# Altium PCB IPG.PcbDoc (part 8 of 10)
Units mm, origin at the board's own origin, x right, y up, seen from the top; angles counter-clockwise.
Board outline 69.6 x 90.73 mm, 10 copper layers (TOP, DHOR, DVERT, GND 1, POWER, GND 2, GND 3, AVERT, AHOR, BOT), stack 1.062 mm thick; 727 components, 391 nets, 2009 pads, 3077 vias.
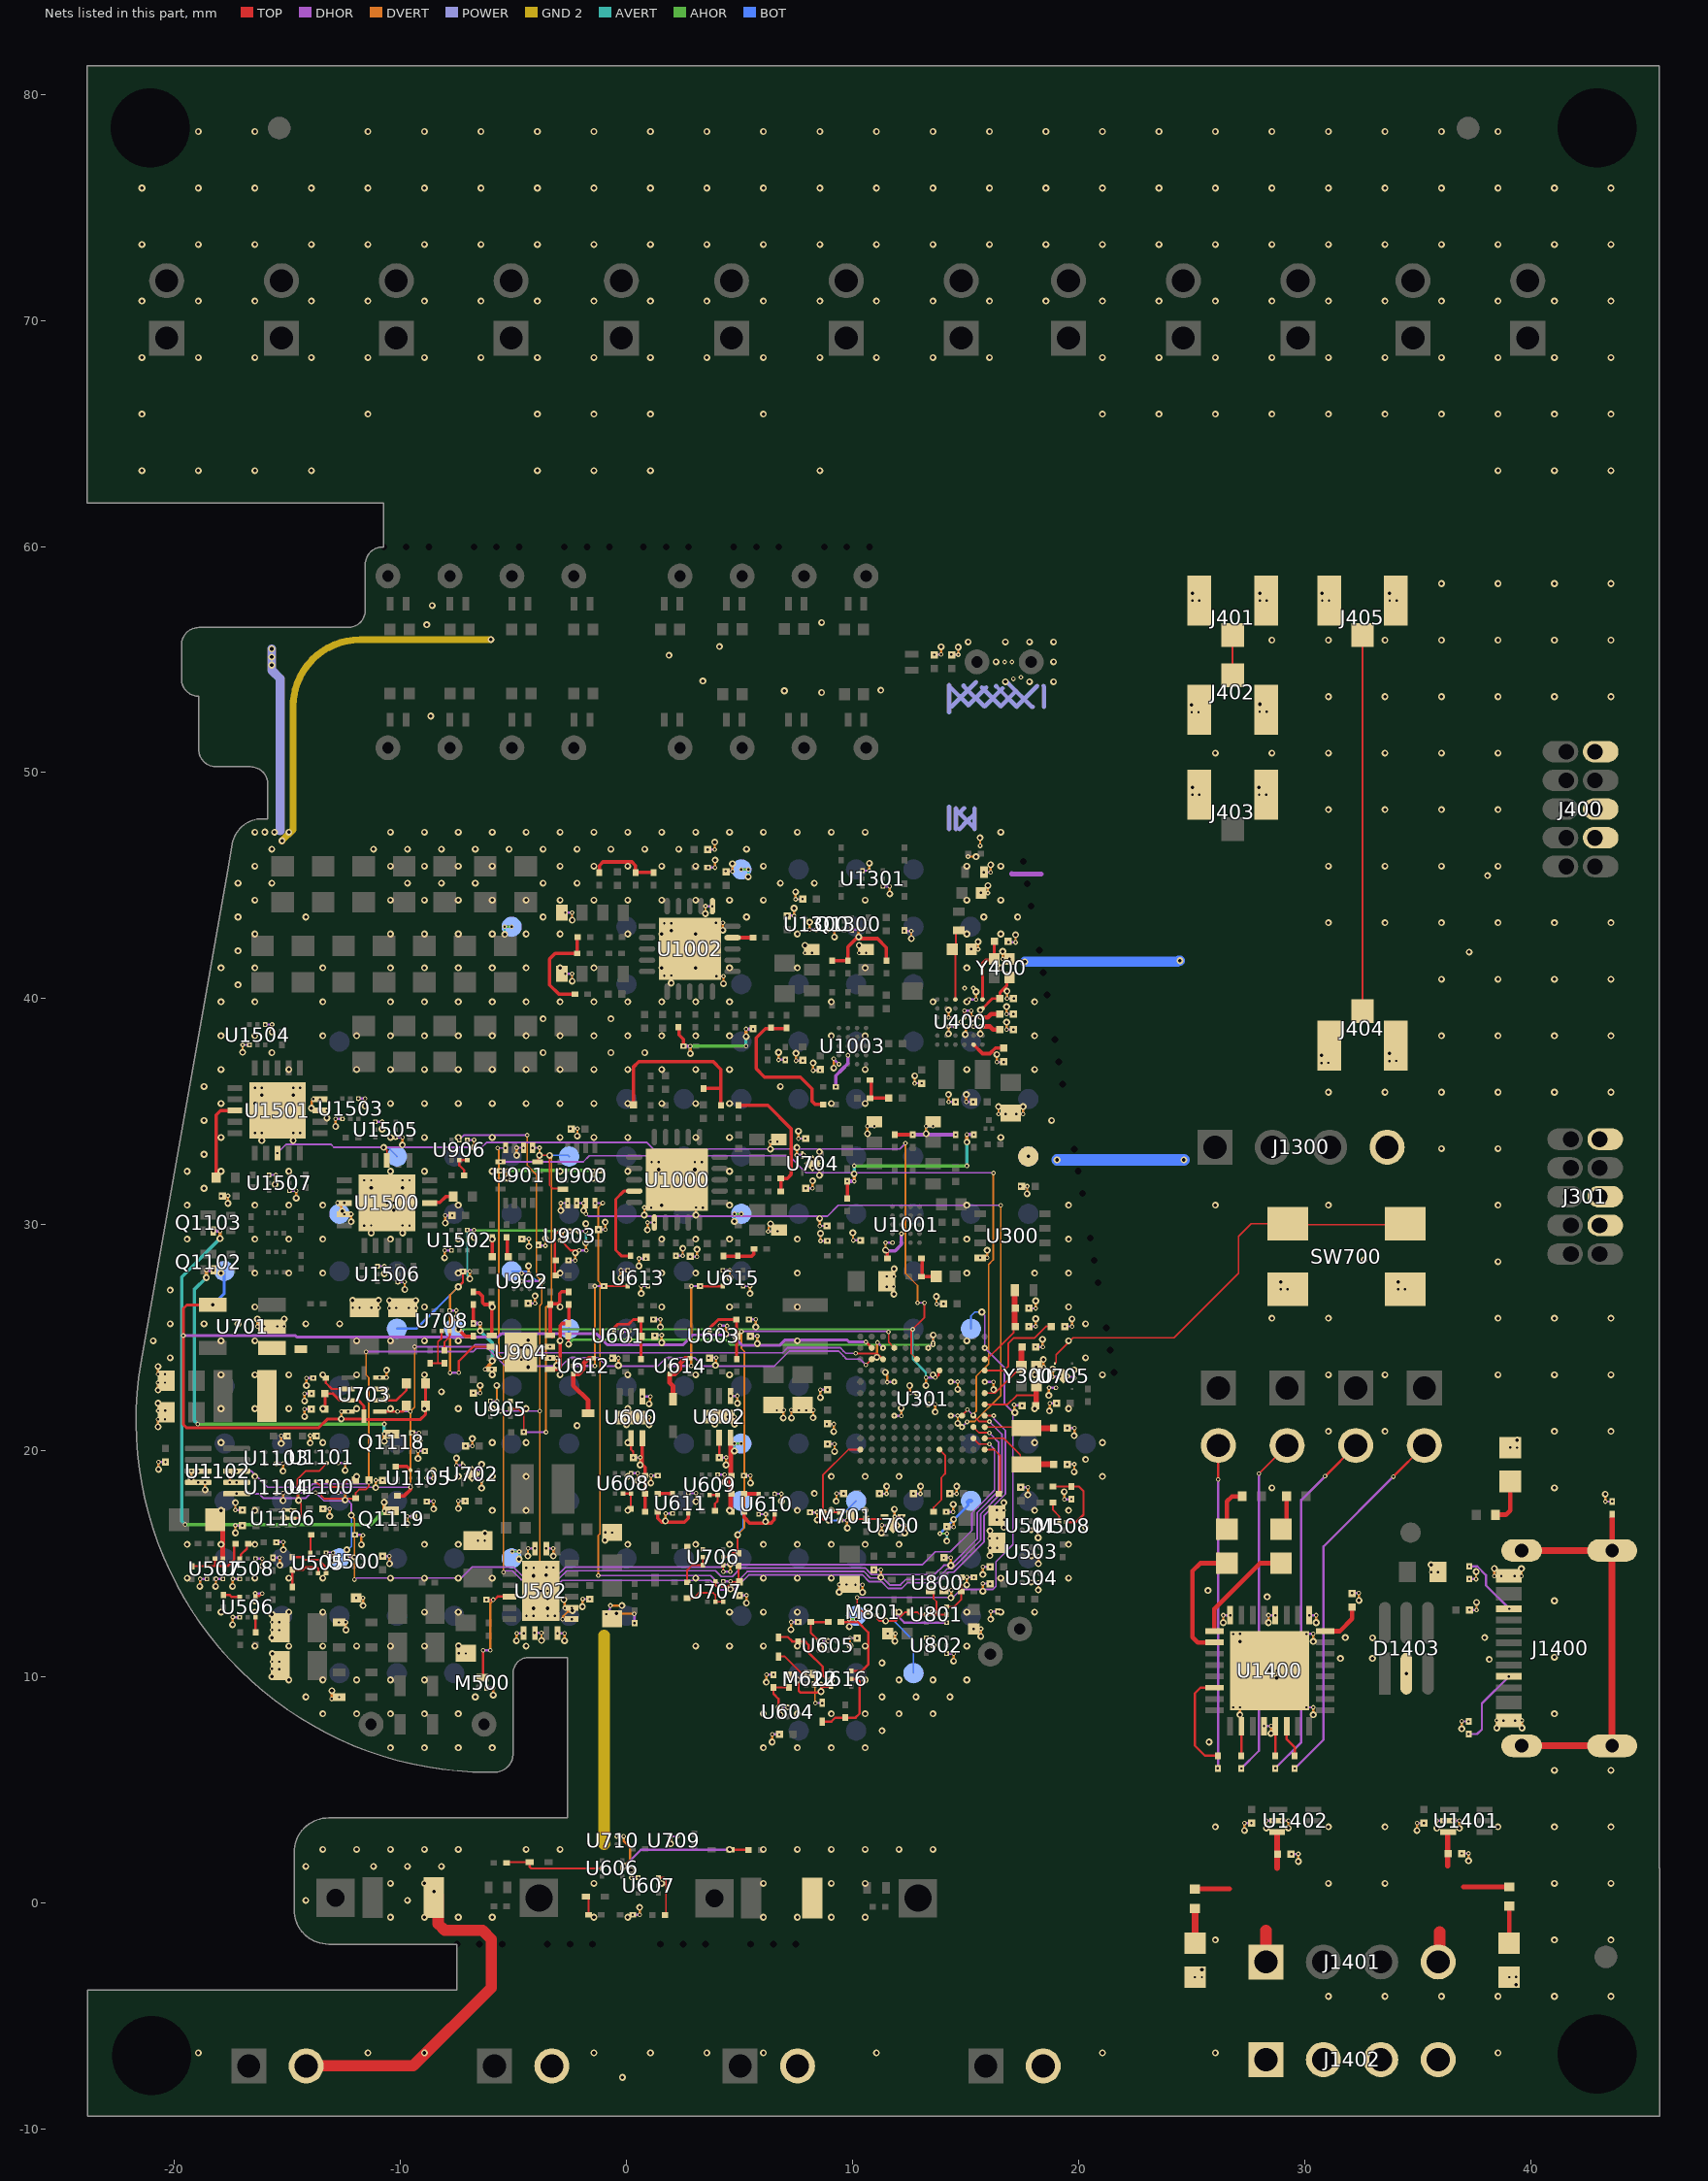
[diagram p16: the nets of this part, all layers, seen from the top]

## Via types
v1: diameter 0.203, hole 0.102, TOP to DHOR, tented top, 723 vias
v2: diameter 0.203, hole 0.102, DHOR to DVERT, tented top, 643 vias
v3: diameter 0.305/0.305/0/0.305/0.305/0.305 (per signal layer), hole 0.152, DVERT to AVERT, tented top, 439 vias
v4: diameter 0.305/0.305/0/0.305/0.305/0.305 (per signal layer), hole 0.152, DVERT to AVERT, 388 vias
v5: diameter 0.305, hole 0.152, TOP to BOT, 265 vias
v6: diameter 0.305/0.305/0.305/0.305/0/0.305/0.305/0.305/0.305/0.305 (per signal layer), hole 0.152, TOP to BOT, tented both sides, 133 vias
v7: diameter 0.305/0.305/0.305/0.305/0.305/0.305 (per signal layer), hole 0.152, DVERT to AVERT, tented top, 106 vias
v8: diameter 0.203, hole 0.102, AVERT to AHOR, tented top, 100 vias
v9: diameter 0.305, hole 0.152, TOP to BOT, tented both sides, 83 vias
v10: diameter 0.305/0/0/0.305/0/0.305/0.305/0/0/0.305 (per signal layer), hole 0.152, TOP to BOT, tented both sides, 67 vias
v11: diameter 0.305/0.305/0.305/0.305/0.305/0.305/0.305/0.305/0.305/0.305 (per signal layer), hole 0.152, TOP to BOT, tented both sides, 64 vias
v12: diameter 0.203, hole 0.102, AHOR to BOT, tented both sides, 31 vias
v13: diameter 0.203/0.203 (per signal layer), hole 0.102, DHOR to DVERT, tented top, 9 vias
v14: diameter 0.203/0.203 (per signal layer), hole 0.102, TOP to DHOR, tented top, 9 vias
v15: diameter 0.203, hole 0.102, DHOR to DVERT, tented both sides, 8 vias
v16: diameter 0.203, hole 0.102, TOP to DHOR, tented both sides, 4 vias
v17: diameter 0.305/0.305/0.305/0.305/0.305/0.305 (per signal layer), hole 0.152, DVERT to AVERT, 2 vias
v18: diameter 0.305, hole 0.152, DVERT to AVERT, tented top, 2 vias
v19: diameter 0.305/0/0/0.305/0.305/0.305/0.305/0/0/0.305 (per signal layer), hole 0.152, TOP to BOT, tented both sides, 1 vias

## Nets (pads, with @x,y where several pads share a name; then routed paths per layer and width w, separated by ;. In a path a pad name is that pad's centre, name@x,y a point inside that pad or via, vN(x,y) a via of type N, cw(c..) or ccw(c..) an arc to the next point about the centre after c; other vN are vias at no path point) (continued)
GND: (continued)
  other v4: -10.441,-0.638 -8.941,-0.638 -7.441,-0.638 -5.941,-0.638 -1.441,-0.638 0.059,-0.638 6.059,-0.638 7.559,-0.638 9.059,-0.638 10.559,-0.638 -10.441,0.862 -8.941,0.862 -1.441,0.862 1.559,0.862 6.059,0.862 9.059,0.862 10.559,0.862 -13.441,2.362 -11.941,2.362 -10.441,2.362 -8.941,2.362 -7.441,2.362 -4.441,2.362 -2.941,2.362 4.559,2.362 6.059,2.362 7.559,2.362 9.059,2.362 10.559,2.362 12.059,2.362 13.559,2.362 -10.441,6.862 -8.941,6.862 -7.441,6.862 -5.941,6.862 6.059,6.862 7.559,6.862 9.059,6.862 10.559,6.862 -13.441,8.362 -11.941,8.362 -10.441,8.362 -8.941,8.362 -7.441,8.362 6.059,8.362 7.559,8.362 9.059,8.362 10.559,8.362 12.059,8.362 13.559,8.362 -14.941,9.862 -13.441,9.862 -11.941,9.862 -10.441,9.862 -8.941,9.862 7.559,9.862 9.059,9.862 10.559,9.862 12.059,9.862 13.559,9.862 15.059,9.862 -16.441,11.362 -14.941,11.362 -13.441,11.362 -11.941,11.362 -10.441,11.362 -8.941,11.362 -4.441,11.362 3.059,11.362 4.559,11.362 6.059,11.362 7.559,11.362 10.559,11.362 15.059,11.362 -17.941,12.862 -16.441,12.862 -14.941,12.862 -13.441,12.862 -8.941,12.862 -7.441,12.862 4.559,12.862 6.059,12.862 7.559,12.862 12.059,12.862 13.559,12.862 15.059,12.862 16.559,12.862 18.059,12.862 -19.441,14.362 -16.441,14.362 -14.941,14.362 -13.441,14.362 -10.441,14.362 -8.941,14.362 -7.441,14.362 -5.941,14.362 3.059,14.362 6.059,14.362 7.559,14.362 9.059,14.362 13.559,14.362 16.559,14.362 19.559,14.362 -19.441,15.862 -17.941,15.862 -16.441,15.862 -8.941,15.862 -7.441,15.862 0.059,15.862 3.059,15.862 4.559,15.862 6.059,15.862 7.559,15.862 9.059,15.862 10.559,15.862 12.059,15.862 19.559,15.862 -17.941,17.362 -16.441,17.362 -5.941,17.362 -4.441,17.362 0.059,17.362 4.559,17.362 7.559,17.362 9.059,17.362 10.559,17.362 18.059,17.362 19.559,17.362 -16.441,18.862 -11.941,18.862 -7.441,18.862 -5.941,18.862 -4.441,18.862 0.059,18.862 9.059,18.862 10.559,18.862 12.059,18.862 21.059,18.862 -17.941,20.362 -13.441,20.362 -5.941,20.362 -4.441,20.362 0.059,20.362 18.059,20.362 21.059,20.362 -17.941,21.862 -16.441,21.862 -14.941,21.862 -13.441,21.862 -11.941,21.862 -10.441,21.862 -8.941,21.862 -7.441,21.862 -5.941,21.862 -4.441,21.862 0.059,21.862 18.059,21.862 19.559,21.862 -17.941,23.362 -16.441,23.362 -14.941,23.362 -13.441,23.362 -11.941,23.362 -8.941,23.362 -5.941,23.362 -2.941,23.362 0.059,23.362 3.059,23.362 4.559,23.362 13.559,23.362 18.059,23.362 21.059,23.362 -20.941,24.862 -17.941,24.862 -16.441,24.862 -11.941,24.862 -10.441,24.862 -8.941,24.862 -7.441,24.862 -2.941,24.862 7.559,24.862 15.059,24.862 19.559,24.862 -16.441,26.362 -8.941,26.362 -5.941,26.362 -2.941,26.362 1.559,26.362 4.559,26.362 7.559,26.362 19.559,26.362 -17.941,27.862 -16.441,27.862 -14.941,27.862 -13.441,27.862 -7.441,27.862 -2.941,27.862 1.559,27.862 3.059,27.862 7.559,27.862 15.059,27.862 18.059,27.862 19.559,27.862 -19.441,29.362 -16.441,29.362 -14.941,29.362 -13.441,29.362 -10.441,29.362 -7.441,29.362 -5.941,29.362 1.559,29.362 3.059,29.362 4.559,29.362 7.559,29.362 15.059,29.362 19.559,29.362 -19.441,30.862 -16.441,30.862 -14.941,30.862 -13.441,30.862 -7.441,30.862 1.559,30.862 4.559,30.862 15.059,30.862 19.559,30.862 -19.441,32.362 -17.941,32.362 -14.941,32.362 -10.441,32.362 -8.941,32.362 -5.941,32.362 -2.941,32.362 0.059,32.362 4.559,32.362 -17.941,33.862 -10.441,33.862 -8.941,33.862 -7.441,33.862 -5.941,33.862 -2.941,33.862 -1.441,33.862 0.059,33.862 3.059,33.862 4.559,33.862 16.559,33.862 -17.941,35.362 -16.441,35.362 -10.441,35.362 -8.941,35.362 -7.441,35.362 -5.941,35.362 -4.441,35.362 -2.941,35.362 -1.441,35.362 0.059,35.362 1.559,35.362 3.059,35.362 4.559,35.362 9.059,35.362 10.559,35.362 -17.941,36.862 -14.941,36.862 -11.941,36.862 -10.441,36.862 -8.941,36.862 -7.441,36.862 -5.941,36.862 -4.441,36.862 -2.941,36.862 -1.441,36.862 0.059,36.862 1.559,36.862 3.059,36.862 4.559,36.862 10.559,36.862 15.059,36.862 18.059,36.862 -17.941,38.362 -16.441,38.362 -13.441,38.362 -11.941,38.362 -10.441,38.362 -8.941,38.362 -7.441,38.362 -5.941,38.362 -4.441,38.362 -2.941,38.362 -1.441,38.362 0.059,38.362 1.559,38.362 3.059,38.362 4.559,38.362 9.059,38.362 10.559,38.362 18.059,38.362 -17.941,39.862 -16.441,39.862 -13.441,39.862 -10.441,39.862 -8.941,39.862 -7.441,39.862 -5.941,39.862 -4.441,39.862 -2.941,39.862 -1.441,39.862 0.059,39.862 1.559,39.862 3.059,39.862 4.559,39.862 9.059,39.862 13.559,39.862 15.059,39.862 18.059,39.862 -17.941,41.362 -16.441,41.362 -13.441,41.362 -10.441,41.362 -8.941,41.362 -7.441,41.362 -5.941,41.362 -4.441,41.362 -2.941,41.362 -1.441,41.362 1.559,41.362 3.059,41.362 4.559,41.362 7.559,41.362 10.559,41.362 15.059,41.362 16.559,41.362 -16.441,42.862 -10.441,42.862 -8.941,42.862 -7.441,42.862 -5.941,42.862 -4.441,42.862 -2.941,42.862 0.059,42.862 1.559,42.862 3.059,42.862 7.559,42.862 15.059,42.862 16.559,42.862 -16.441,44.362 -10.441,44.362 -8.941,44.362 -7.441,44.362 -5.941,44.362 -4.441,44.362 -2.941,44.362 -1.441,44.362 0.059,44.362 1.559,44.362 3.059,44.362 4.559,44.362 6.059,44.362 10.559,44.362 15.059,44.362 16.559,44.362 -16.441,45.862 -10.441,45.862 -8.941,45.862 -7.441,45.862 -5.941,45.862 -2.941,45.862 -1.441,45.862 0.059,45.862 1.559,45.862 3.059,45.862 6.059,45.862 15.059,45.862 16.559,45.862 -10.441,47.362 -8.941,47.362 -7.441,47.362 -5.941,47.362 -4.441,47.362 -2.941,47.362 -1.441,47.362 0.059,47.362 1.559,47.362 3.059,47.362 4.559,47.362 6.059,47.362 7.559,47.362 9.059,47.362 10.559,47.362 16.559,47.362
  other v5: -18.941,-6.638 -11.441,-6.638 -8.941,-6.638 -1.441,-6.638 1.059,-6.638 3.559,-6.638 6.059,-6.638 11.059,-6.638 21.059,-6.638 26.059,-6.638 38.559,-6.638 31.059,-4.138 33.559,-4.138 36.059,-4.138 38.559,-4.138 41.059,-4.138 43.559,-4.138 26.059,-1.638 41.059,-1.638 43.559,-1.638 31.059,0.862 33.559,0.862 41.059,0.862 43.559,0.862 26.059,3.362 31.059,3.362 33.559,3.362 38.559,3.362 41.059,3.362 43.559,3.362 41.059,5.862 43.559,5.862 41.059,8.362 41.059,10.862 41.059,13.362 28.559,18.362 41.059,18.362 31.059,20.862 33.559,20.862 41.059,20.862 43.559,20.862 31.059,23.362 33.559,23.362 38.559,23.362 41.059,23.362 43.559,23.362 28.559,25.862 31.059,25.862 38.559,25.862 41.059,25.862 43.559,25.862 38.559,28.362 26.059,30.862 31.059,30.862 38.559,30.862 36.059,33.362 38.559,33.362 31.059,35.862 33.559,35.862 36.059,35.862 38.559,35.862 41.059,35.862 43.559,35.862 36.059,38.362 38.559,38.362 41.059,38.362 43.559,38.362 36.059,40.862 38.559,40.862 41.059,40.862 43.559,40.862 31.059,43.362 33.559,43.362 36.059,43.362 38.559,43.362 41.059,43.362 43.559,43.362 31.059,45.862 33.559,45.862 36.059,45.862 38.559,45.862 31.059,48.362 33.559,48.362 36.059,48.362 38.559,48.362 26.059,50.862 28.559,50.862 31.059,50.862 33.559,50.862 36.059,50.862 38.559,50.862 31.059,53.362 33.559,53.362 36.059,53.362 38.559,53.362 41.059,53.362 43.559,53.362 28.559,55.862 31.059,55.862 33.559,55.862 36.059,55.862 38.559,55.862 41.059,55.862 43.559,55.862 36.059,58.362 38.559,58.362 41.059,58.362 43.559,58.362 -21.441,63.362 -18.941,63.362 -16.441,63.362 -13.941,63.362 -3.941,63.362 -1.441,63.362 1.059,63.362 8.559,63.362 38.559,63.362 41.059,63.362 43.559,63.362 -21.441,65.862 -11.441,65.862 -3.941,65.862 -1.441,65.862 1.059,65.862 6.059,65.862 21.059,65.862 23.559,65.862 26.059,65.862 28.559,65.862 31.059,65.862 33.559,65.862 36.059,65.862 38.559,65.862 41.059,65.862 43.559,65.862 -21.441,68.362 -18.941,68.362 -16.441,68.362 -13.941,68.362 -11.441,68.362 -8.941,68.362 -6.441,68.362 -3.941,68.362 -1.441,68.362 1.059,68.362 3.559,68.362 6.059,68.362 8.559,68.362 11.059,68.362 13.559,68.362 16.059,68.362 21.059,68.362 23.559,68.362 26.059,68.362 28.559,68.362 31.059,68.362 33.559,68.362 36.059,68.362 38.559,68.362 41.059,68.362 43.559,68.362 -21.441,70.862 -18.941,70.862 -16.441,70.862 -13.941,70.862 -11.441,70.862 -8.941,70.862 -6.441,70.862 -3.941,70.862 -1.441,70.862 1.059,70.862 3.559,70.862 6.059,70.862 8.559,70.862 11.059,70.862 13.559,70.862 16.059,70.862 18.559,70.862 21.059,70.862 23.559,70.862 26.059,70.862 28.559,70.862 31.059,70.862 33.559,70.862 36.059,70.862 38.559,70.862 41.059,70.862 43.559,70.862 -21.441,73.362 -18.941,73.362 -16.441,73.362 -13.941,73.362 -11.441,73.362 -8.941,73.362 -6.441,73.362 -3.941,73.362 -1.441,73.362 1.059,73.362 3.559,73.362 6.059,73.362 8.559,73.362 11.059,73.362 13.559,73.362 16.059,73.362 18.559,73.362 21.059,73.362 23.559,73.362 26.059,73.362 28.559,73.362 31.059,73.362 33.559,73.362 36.059,73.362 38.559,73.362 41.059,73.362 43.559,73.362 -21.441,75.862 -18.941,75.862 -16.441,75.862 -13.941,75.862 -11.441,75.862 -8.941,75.862 -6.441,75.862 -3.941,75.862 -1.441,75.862 1.059,75.862 3.559,75.862 6.059,75.862 8.559,75.862 11.059,75.862 13.559,75.862 16.059,75.862 18.559,75.862 21.059,75.862 23.559,75.862 26.059,75.862 28.559,75.862 31.059,75.862 33.559,75.862 36.059,75.862 38.559,75.862 41.059,75.862 43.559,75.862 -18.941,78.362 -16.441,78.362 -11.441,78.362 -8.941,78.362 -6.441,78.362 -3.941,78.362 -1.441,78.362 1.059,78.362 3.559,78.362 6.059,78.362 8.559,78.362 11.059,78.362 13.559,78.362 16.059,78.362 18.559,78.362 21.059,78.362 23.559,78.362 26.059,78.362 28.559,78.362 31.059,78.362 33.559,78.362 36.059,78.362 38.559,78.362
  other v6: 38.176,10.77 31.59,10.812 33.006,10.812 31.803,11.738 33.01,11.724 37.973,11.735 17.78,33.02
  other v7: 16.764,54.019 -15.697,54.755 16.352,54.897 -15.697,55.115
  other v8: 9.851,12.546 -5.389,43.178 5.389,45.718
  other v9: -0.178,-7.722 25.781,7.112 28.346,13.538 25.73,13.818 32.639,28.448 37.287,42.062 38.1,45.441 -16.002,47.371 -15.57,47.362 -8.661,52.502 8.636,53.543 6.985,53.619 11.252,53.644 18.898,54.019 3.378,54.051 18.898,54.899 1.88,55.194 4.115,55.575 15.116,55.778 16.764,55.778 18.898,55.778 -8.839,56.54 8.636,56.642 -8.594,57.389
  other v10: -14.191,0.112 -9.691,0.112 -14.191,1.612 -11.191,1.612 -9.691,1.612 -8.191,1.612 11.309,7.612 -14.191,9.112 -6.691,9.112 11.309,9.112 12.809,9.112 14.309,9.112 11.309,10.612 20.309,16.612 8.309,18.112 20.309,19.612 -2.191,21.112 -8.191,22.612 -20.191,24.112 20.309,24.112 -20.191,25.612 -18.691,25.612 -17.191,25.612 -14.191,25.612 -12.691,25.612 20.309,25.612 -20.191,27.112 -18.691,31.612 -18.691,33.112 -18.691,34.612 18.809,34.612 -18.691,36.112 6.809,36.112 -15.691,37.612 -3.691,37.612 -0.691,37.612 0.809,37.612 -3.691,39.112 -0.691,39.112 -17.191,40.612 -17.191,42.112 -17.191,43.612 -14.191,43.612 -3.691,43.612 5.309,43.612 15.809,43.612 17.309,43.612 -17.191,45.112 -15.691,45.112 -9.691,45.112 -8.191,45.112 -6.691,45.112 -3.691,45.112 -2.191,45.112 6.809,45.112 8.309,45.112 -11.191,46.612 -9.691,46.612 -8.191,46.612 -6.691,46.612 -5.191,46.612 -3.691,46.612 -2.191,46.612 -0.691,46.612 0.809,46.612 2.309,46.612 5.309,46.612
  other v11: 34.508,10.138 17.831,54.019 17.831,55.778
  other v15: 17.12,54.148 16.732,54.897
  other v16: 17.45,54.22 17.057,54.897
  other v17: -16.441,47.362 -14.941,47.362
  other v19: -15.691,46.612
HPF_1V5: R910.1 R912.1 TP904.1 U903.A1 U903.C2 U904.2 | length 23.1
  TOP w0.102: v6(-7.442,27.254) -7.24,27.457 R910.1@-7.24,27.929 v1(-7.24,27.934) ; v1(-7.417,23.452) -7.417,23.969 -6.784,24.602 U904.2@-5.959,24.602 ; U903.C2@-2.915,29.312 -2.466,28.863 v1(-2.094,28.863)
  DVERT w0.102: v2(-7.804,23.446) -7.81,23.452 -7.81,26.887 v6(-7.442,27.254) ; v3(-6.935,27.607) v2(-6.935,27.938) ; v2(-3.587,29.065) v3(-3.587,29.396) ; v3(-1.804,29.189) -1.791,29.177 -1.791,28.871 v2(-1.778,28.858) ; v2(-1.803,29.714) v3(-1.803,30.045)
  AVERT w0.102: v8(-7.046,29.761) -7.046,27.773 -6.935,27.662 v3(-6.935,27.607) ; v3(-3.587,29.396) v8(-3.586,29.728) ; v3(-1.804,29.189) -1.803,29.7 v8(-1.81,29.707) -1.819,29.716 -1.807,29.729 -1.807,30.041 v3(-1.803,30.045)
  DHOR w0.102: v2(-7.804,23.446) -7.801,23.449 -7.42,23.449 v1(-7.417,23.452) ; v1(-7.24,27.934) -7.238,27.936 v2@-6.938,27.936 ; v1(-3.913,29.075) -3.908,29.07 -3.593,29.07 v2@-3.588,29.065 ; v1(-2.108,29.718) -2.106,29.716 -1.807,29.716 v2(-1.803,29.714) ; v1(-2.094,28.863) -2.091,28.86 -1.78,28.86 v2(-1.778,28.858)
  AHOR w0.102: v8(-7.046,29.761) -7.029,29.744 -3.602,29.744 v8(-3.586,29.728) -1.859,29.728 -1.838,29.707 v8(-1.81,29.707)
  BOT w0.102: TP904.1@-10.16,25.4 -9.296,25.4 v6(-7.442,27.254)
HV_EN: C713.2 C714.2 R707.1 R708.1 TP708.1 U301.L11 U701.4 U703.8 U703.10 | length 55.3
  TOP w0.127: v6(-18.31,26.45) -19.45,26.45 -19.6,26.3 -19.609,26.291 -19.609,21.157 -19.465,21.014 -13.621,21.014 -13.24,21.395 -11.666,21.395 -11.651,21.41 U703.10@-11.651,21.469 ; C713.2@-13.34,21.844 C714.2@-13.34,22.53 -12.993,22.53 -12.707,22.244 -12.325,22.244 U703.8@-12.316,22.234 -11.866,22.234 -11.616,21.984 U703.10@-11.616,21.434 ; U703.10@-11.616,21.534 -11.616,21.437 -11.566,21.387 -9.113,21.387 -8.891,21.609 R708.1@-8.891,22.984 ; v1(10.596,24.818) 10.596,24.811 10.85,24.557 U301.L11@10.85,24.55
  DHOR w0.127: v1@-19.6,25.104 -14.669,25.104 -14.59,25.025 -5.692,25.025 -5.527,25.19 -1.349,25.19 -0.848,24.689 2.503,24.689 2.942,25.128 4.658,25.128 5.127,24.658 6.773,24.658 7.007,24.892 9.6,24.892 9.767,24.892 9.851,24.809 10.587,24.809 v1(10.596,24.818)
  BOT w0.127: v6(-18.31,26.45) -17.795,26.965 TP708.1@-17.795,27.955
  other v1: -19.609,25.095
HVSW_EN: R710.1 TP710.1 U301.L9 U706.2 | length 19.9
  TOP w0.076: U706.2@4.283,15.291 4.508,15.291 4.688,15.471 R710.1@4.953,15.471 4.915,15.508 v6(4.915,16.281) ; v1(11.592,25.256) 11.599,25.249 11.599,24.801 U301.L9@11.85,24.55
  DVERT w0.076: v6(4.915,16.281) 5.216,16.582 5.216,24.401 5.086,24.531 v2(5.086,25.271)
  DHOR w0.076: v2(5.086,25.271) 5.103,25.289 11.525,25.289 11.558,25.256 v1(11.592,25.256)
  BOT w0.076: v6(4.915,16.281) 4.915,16.343 5.177,16.605 5.177,17.107 5.08,17.204 TP710.1@5.08,17.78 TP710.1@5.177,17.683
I2C2.SCL: R707.2 U301.K10 U703.1 U1102.6 | length 37.4
  TOP w0.076: v1(10.144,24.308) 10.151,24.301 11.099,24.301 U301.K10@11.35,24.05
  TOP w0.1: U703.1@-10.916,21.734 v1(-10.134,21.734) -9.891,21.734 -9.741,21.884 R707.2@-9.716,21.884
  DVERT w0.076: v2(-9.563,21.736) -9.558,21.73 -9.558,18.394 v2(-9.552,18.388) ; v2@-9.563,21.739 -9.378,21.924 v2(-9.378,24.6)
  DHOR w0.076: v1(-17.25,18.1) -16.26,18.1 -16.067,17.907 -14.188,17.907 -14.014,18.081 -14.014,18.194 -13.819,18.388 v2(-9.552,18.388) ; v1(-10.134,21.734) -9.891,21.734 -9.889,21.736 v2(-9.563,21.736) ; v2(-9.378,24.6) -6.788,24.6 -6.707,24.681 -6.082,24.681 -5.734,24.334 -1.202,24.334 -1.196,24.328 6.91,24.328 7.143,24.562 9.448,24.562 9.6,24.409 9.702,24.308 v1(10.144,24.308)
I2C2.SDA: R708.2 U301.K11 U703.2 U1102.8 | length 38.1
  TOP w0.076: v1(10.594,23.799) 10.599,23.799 U301.K11@10.85,24.05
  TOP w0.1: v1(-10.916,22.234) -10.176,22.234 -9.743,22.668 -9.743,22.857 R708.2@-9.716,22.884
  DVERT w0.076: v2(-11.517,24.372) -11.517,23.355 -11.405,23.242 v2@-11.405,18.608
  DHOR w0.076: v1(-17.25,19.101) -16.591,19.101 -15.879,18.388 -14.035,18.388 -13.882,18.54 -11.498,18.54 -11.434,18.604 v2(-11.4,18.604) ; v2(-11.517,24.372) -11.505,24.384 -6.788,24.384 -6.644,24.529 -6.145,24.529 -5.359,23.743 -2.882,23.743 -2.508,24.117 -1.247,24.117 -0.873,23.743 1.385,23.743 1.76,24.117 3.02,24.117 3.394,23.743 6.54,23.743 7.206,24.409 9.384,24.409 9.6,24.194 9.736,24.058 10.335,24.058 v1(10.594,23.799) ; v2(-11.405,22.225) -11.4,22.23 -10.92,22.23 v1(-10.916,22.234)
IMP_EN: TP902.1 U301.E1 U902.B2 U904.7 U905.2 U906.2 | length 56.2
  TOP w0.076: U905.2@-6.031,21.85 -5.715,21.85 -5.615,21.75 v1(-5.581,21.75) ; U301.E1@15.85,21.55 v1(16.25,21.55)
  DVERT w0.076: v2(-4.394,33.962) -4.394,32.629 -3.983,32.219 -3.983,27.736 v6(-3.745,27.497) -3.745,26.513 -3.835,26.423 v2(-3.835,24.587) v2(-3.835,21.757) -3.835,14.234 -3.782,14.18 -3.769,14.18 -3.667,14.078 v2(-3.632,14.078)
  DHOR w0.076: v1(-7.395,33.749) -7.177,33.967 -4.399,33.967 v2(-4.394,33.962) ; v1(-5.581,21.75) -5.577,21.754 -3.839,21.754 v2(-3.835,21.757) ; v1(-4.638,27.497) v6(-3.745,27.497) v6@-3.734,27.508 ; v2(-3.835,24.587) -3.828,24.595 -3.396,24.595 v1(-3.389,24.602) ; v2(-3.632,14.078) -3.038,14.078 -2.85,14.265 3.714,14.265 4.131,13.849 4.346,13.849 4.749,13.849 5.41,14.509 10.435,14.509 10.73,14.214 11.277,14.214 11.58,13.911 12.186,13.911 12.428,14.153 13.772,14.153 14.25,14.63 14.477,14.63 15.824,15.978 15.824,17.145 16.764,18.085 16.764,20.898 16.6,21.062 16.257,21.404 16.257,21.543 v1(16.25,21.55)
  BOT w0.076: TP902.1@-5.08,27.94 -4.42,27.94 -4.012,27.532 -3.78,27.532 v6(-3.745,27.497)
IMP_ENn: R903.2 TP906.1 U900.4 U901.4 U905.5 U905.6 | length 18.8
  TOP w0.076: U905.6@-5.131,22.2 U905.5@-5.131,21.85 -4.775,21.85 -4.546,21.62 v1(-4.546,20.828) ; U901.4@-3.935,32.781 -3.912,32.804 -3.912,32.944 -3.785,33.071 v6@-3.404,33.071 ; v6(-3.401,33.068) -3.401,32.662 -3.404,32.66 -3.404,31.75 -3.251,31.598 -2.845,31.598 U900.4@-2.819,31.572
  DVERT w0.076: v2(-3.563,20.824) -3.563,26.358 -3.32,26.601 -3.32,32.925 -3.401,33.006 v6(-3.401,33.068)
  DHOR w0.076: v1(-4.546,20.828) -4.544,20.826 v2(-3.563,20.824) v2(-3.563,20.824)
  BOT w0.076: v6(-3.401,33.068) -2.588,33.068 TP906.1@-2.54,33.02
IMP_IN+_SEL: U301.D2 U901.8 | length 47.6
  TOP w0.076: U301.D2@15.35,21.05 15.601,20.799 16.049,20.799 v1(16.056,20.792)
  DVERT w0.076: v2(-5.703,33.391) -5.703,33.357 -5.652,33.305 -5.652,24.245 -5.448,24.04 v2(-5.448,14.634)
  DHOR w0.076: v2(-5.703,33.391) -5.699,33.395 -5.357,33.395 v1(-5.353,33.4) ; v2(-5.448,14.634) -5.413,14.634 -5.35,14.697 -5.058,14.697 -4.662,14.3 -3.031,14.3 -2.634,14.697 3.935,14.697 4.198,14.434 4.509,14.434 4.513,14.439 4.684,14.439 5.058,14.813 10.561,14.813 10.73,14.645 10.856,14.519 11.035,14.519 13.627,14.519 14.043,14.935 14.35,14.935 15.519,16.104 15.519,17.271 16.459,18.211 16.459,20.389 v1(16.056,20.792)
IMP_IN-_SEL0: U301.E2 U900.8 | length 42.1
  TOP w0.076: U301.E2@15.35,21.55 15.601,21.299 16.049,21.299 v1(16.056,21.292)
  DVERT w0.076: v2(-1.246,14.481) -1.246,16.253 -1.17,16.329 -1.17,27.437 -1.248,27.515 -1.248,30.762 v2(-1.051,30.96)
  DHOR w0.076: v1(-1.395,30.958) -1.393,30.959 v2(-1.051,30.96) v2(-1.051,30.96) ; v2(-1.246,14.481) 3.713,14.481 4.194,14.001 4.686,14.001 5.346,14.661 10.498,14.661 10.793,14.367 11.34,14.367 11.643,14.064 12.123,14.064 12.365,14.305 13.709,14.305 14.187,14.783 14.413,14.783 15.672,16.041 15.672,17.208 16.612,18.148 16.612,20.737 v1(16.056,21.292)